# Altium PCB Toothbrush.PcbDoc (continued)
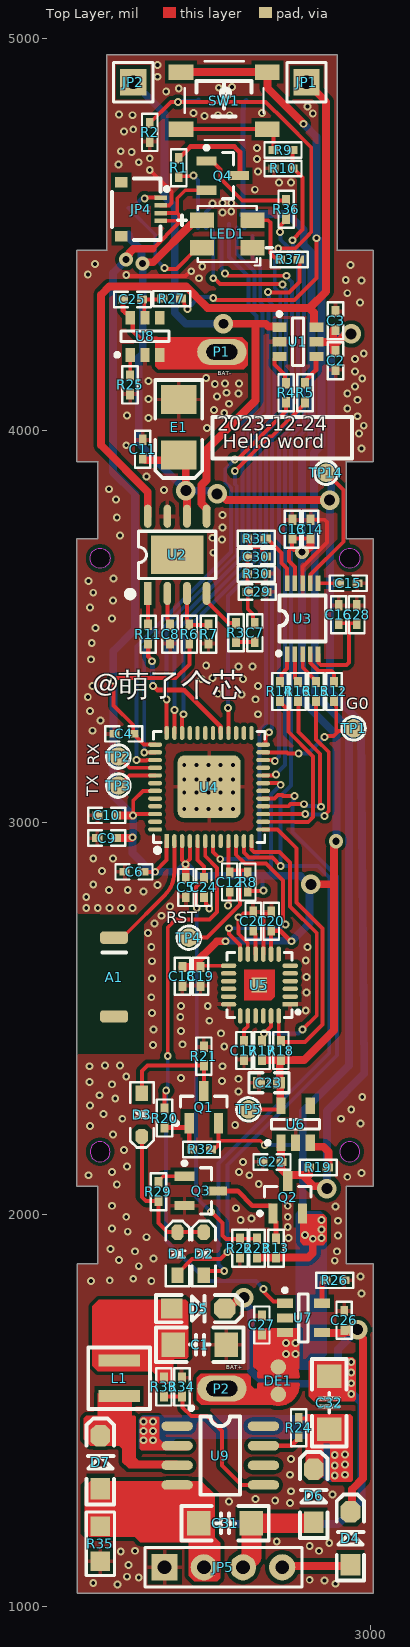
[diagram p0: Top Layer view]
## Nets (pads, with @x,y where several pads share a name; then routed paths per layer and width w, separated by ;. In a path a pad name is that pad's centre, name@x,y a point inside that pad or via, vN(x,y) a via of type N, cw(c..) or ccw(c..) an arc to the next point about the centre after c; other vN are vias at no path point) (continued)
GPIO0: R12.2 TP1.1 U4.23 | length 343.6
  Top Layer w10: U4.23 2788,3178.79 2790.79,3176 v1(2818,3176) ; v1(2884.14,3218.14) 2885.91,3219.91 2906.62,3219.91 2913.86,3227.15 ; R12.2 2913,3305 2913,3297 2913.86,3296.14 2913.86,3227.15 ; TP1.1 2950.87,3232.87 2919.58,3232.87 2913.86,3227.15
  Bottom Layer w10: v1(2818,3176) 2842,3176 v1(2884.14,3218.14)
I2S-BCLK: R16.2 U3.2 | length 74.6
  Top Layer w10: U3.2 2808.32,3368.68 2816,3361 R16.2
I2S-DIN: R14.2 U3.1 | length 79.2
  Top Layer w10: R14.2 2774.33,3362.33 2774.33,3377.88 2788.64,3392.18 2788.64,3418.64 U3.1
I2S-LRCLK: R15.2 U3.3 | length 85.5
  Top Layer w10: U3.3 2828.24,3429.22 2828.24,3394.76 2862,3361 R15.2
I2S-MCLK: R12.1 U3.4 | length 115.9
  Top Layer w10: U3.4 2848.59,3428.55 2848.59,3406.33 2868.92,3386 2902.14,3386 2908,3380.14 R12.1
KEY: D2.1 R9.2 R10.1 U4.11 | length 3342.5
  Top Layer w10: D2.1 2576,1845.25 2586.75,1856 v1(2628,1856) ; U4.11 2678.11,2923.47 2691.58,2910 2751,2910 v1(2772,2889) ; v1(2802,4485.02) 2802,4486 2828,4512 2828,4645.23 2805,4668.23 R10.1 R9.2
  Bottom Layer w10: v1(2628,1856) 2628,1858.71 2613.91,1872.79 2613.91,2129.91 2896,2412 2896,2860 2867,2889 v1(2772,2889) 2772,3067.67 2798,3093.67 2798,3964 2831,3997 2831,4444.5 2803.91,4471.58 2803.91,4483.1 v1(2802,4485.02)
LCD-BG: R36.2 U4.20 | length 1500.5
  Top Layer w10: U4.20 2727.52,3119.93 2755.24,3119.93 2757.2,3121.88 v1(2759.9,3121.88) ; v1(2770,4506) 2771.91,4507.91 2771.91,4522.91 2786,4537 R36.2
  Bottom Layer w10: v1(2759.9,3121.88) 2759.9,3123.04 2783,3146.14 2783,3970.21 2816,4003.21 2816,4438.28 2788.91,4465.37 2788.91,4469.23 2771.91,4486.23 2771.91,4504.09 v1(2770,4506)
LCD-CS: JP3.8 U4.34 | length 1376.1
  Top Layer w10: U4.34 2520.63,3269.92 2524,3273.29 v1(2524,3276)
  Bottom Layer w10: v1(2524,3276) 2524,3484.36 2705,3665.36 2705,4007.43 2741,4043.43 2741,4306.21 2719.84,4327.37 2719.84,4418.16 2700.43,4437.57 2700.43,4496
LCD-REST: JP3.3 U4.24 | length 1510.4
  Top Layer w10: v1(2600,4388) 2602.71,4388 2617.1,4373.61 2775.05,4373.61 v1(2776.96,4371.7) ; U4.24 2733.22,3198.47 2733.69,3198.94 2733.69,3218.98 2742,3227.29 v1(2742,3230)
  Bottom Layer w10: v1(2600,4388) JP3.3@2600,4509.99 ; v1(2742,3230) 2742,3232.71 2750,3240.71 2750,3979.64 2786,4015.64 2786,4359.95 2776.96,4368.99 v1(2776.96,4371.7)
LCD-RS: JP3.4 U4.22 | length 1566.1
  Top Layer w10: v1(2630,4400) 2632.71,4400 2638.17,4394.54 v1(2787.13,4394.54) ; U4.22 2727.52,3158.91 2752.3,3158.91 2754.29,3156.92 v1(2757,3156.92)
  Bottom Layer w10: JP3.4@2620,4510.35 2620.63,4509.72 2620.63,4412.08 2630,4402.71 v1(2630,4400) ; v1(2757,3156.92) 2768,3167.92 2768,3976.43 2801,4009.43 2801,4377.96 2787.13,4391.83 v1(2787.13,4394.54)
LCD-SCL: JP3.6 U4.35 | length 1410.4
  Top Layer w10: U4.35 2501.1,3228.16 2501.1,3286.49 v1(2501.26,3286.64)
  Bottom Layer w10: v1(2501.26,3286.64) 2501.26,3482.83 2690,3671.57 2690,4013.64 2726,4049.64 2726,4300 2704.84,4321.16 2704.84,4405.16 2660,4450 JP3.6@2660,4517.85
LCD-SDA: JP3.5 U4.36 | length 1422.4
  Top Layer w10: U4.36 v1(2481.26,3313.96)
  Bottom Layer w10: v1(2481.26,3313.96) 2481.26,3484.05 2675,3677.79 2675,4019.85 2710,4054.85 2710,4292 2689.84,4312.16 2689.84,4392.16 2659,4423 2640,4442 JP3.5@2640,4526.68
LED: JP4.1 LED1.2 TP6.1 | length 402.9
  Top Layer w10: v1(2425.18,4591.74) 2427.13,4593.68 JP4.1 JP4.1@2466.16,4593.84 ; v1(2476,4414) 2477.91,4412.09 2495.56,4412.09 2496,4411.65 2506,4411.65 2560.27,4465.92 LED1.2
  Bottom Layer w10: v1(2425.18,4591.74) 2423.27,4589.83 2415.79,4589.83 2392.97,4567 TP6.1 2452,4499 2452,4438 v1(2476,4414)
LN: C31.1 C32.1 D7.1 JP5.2 R35.1 U9.4 | length 897.3
  Top Layer w50: JP5.2 JP5.2@2576,1104.58
  Bottom Layer w20: JP5.2 2576,1188 2598,1210 2918,1210 2978,1270 2978,1520 v1@2952,1546 ; v1(2952,1542) v1@2952,1546 ; v1(2952,1624) v1(2952,1596.67) v1(2952,1569.33) v1@2952,1546
LP: C31.2 D6.1 JP5.3 | length 281.9
  Top Layer w50: JP5.3 2676,1104.58 2697.5,1126.08 C31.2 2856,1212 D6.1
MOTOR1: JP1.1 U1.6 U2.8 | length 1845.4
  Top Layer w20: U2.8 2433,3843 2314,3962 2314,4346.15 2334.85,4367 2531.21,4367 2553.97,4344.24 2553.97,4343.76 2585.73,4312 2845.53,4312 ; JP1.1 2888,4838 2888,4354.47 2845.53,4312 ; U1.6@2857.24,4263.4 2857.24,4300.28 2845.53,4312
MOTOR2: JP2.1 U1.1 U2.5 | length 1447.7
  Top Layer w20: U2.5@2582.84,3800.56 2570,3813.4 2570,3860.7 2582.84,3873.54 2582.84,3950.84 2708,4076 2708,4272 ; v4(2626,4272) 2708,4272 ; U1.1 2766.95,4265.21 2740.79,4265.21 2734,4272 2708,4272
  Bottom Layer w20: JP2.1 2476,4808 2476,4596 2502,4570 2502,4300 2530,4272 v4(2626,4272)
MOTOR-IN1: R5.1 U1.4 | length 84.4
  Top Layer w12: R5.1@2830,4120 2831,4120 2838,4127 2838,4130 2862,4154 2862,4183.84 U1.4@2857.24,4188.6
MOTOR-IN2: R4.1 U1.3 | length 89.6
  Top Layer w10: U1.3 2762.94,4188.6 2756.13,4181.79 2756.13,4167.64 2782.78,4140.99 2782.78,4123.22 R4.1
MPU6050-INT: U4.10 U5.12 | length 522.1
  Top Layer w10: v1(2640,2730) 2640.68,2729.32 2640.68,2715.32 2668.61,2687.39 U5.12 ; U4.10 2658.43,2917.57 2681,2895 2735,2895 2778,2852 2778,2748.71 2784,2742.71 v1(2784,2740)
  Bottom Layer w10: v1(2640,2730) 2771.29,2730 2781.29,2740 v1(2784,2740)
MPU6050-SCL: R17.2 U4.12 U5.23 | length 796.3
  Top Layer w10: U4.12 2697.8,2930.86 2703.65,2925 2769,2925 2796,2898 2796,2786 2864,2718 2864,2508 v1(2828,2472) ; R17.2 R17.2@2727.54,2445.2 ; U5.23 2747.02,2506.17 2747.02,2479.02 v1(2729.45,2461.45) ; R17.2@2727.54,2445.2 2729.45,2447.11 v1(2729.45,2461.45) ; R17.2@2727.54,2445.2 2727.54,2459.54 v1(2729.45,2461.45)
  Bottom Layer w10: v1(2729.45,2461.45) 2817.14,2461.45 2827.69,2472 v1(2828,2472)
MPU6050-SDA: R18.2 U4.13 U5.24 | length 774.7
  Top Layer w10: U4.13 2764.06,2981.94 2812,2934 2812,2796 2879,2729 2879,2484.72 2833.66,2439.38 2775.18,2439.38 2767.45,2447.11 2767.45,2455.57 2767.05,2455.97 U5.24
NetA1_1: A1.1 U4.2 | length 324.3
  Top Layer w10: A1.1@2340,2706 2353.86,2706 ccw(c2353.86,2740.14) 2378,2716 2475.9,2813.9 ccw(c2415.43,2874.37) 2500.94,2874.37 U4.2
NetC1_2: C1.2 D5.1 L1.2 R33.2
NetC7_1: C7.1 R3.1 | length 48
  Top Layer w10: R3.1 C7.1
NetC8_1: C8.1 U2.2 | length 83.1
  Top Layer w10: U2.2 2483,3517.86 2485,3515.86 2485,3509 C8.1
NetC12_2: C12.2 R8.1 TP4.1 U4.9 | length 374.4
  Top Layer w10: TP4.1 2583.72,2706 2668,2790.28 2668,2878 ; U4.9 2638.74,2881.26 2642,2878 2668,2878 ; R8.1@2688,2878 2668,2878
NetC15_1: C15.1 U3.6 | length 52.9
  Top Layer w10: U3.6 2867.93,3610 C15.1
NetC16_1: C16.1 C28.1 U3.5 | length 258.6
  Top Layer w10: U3.5 2868.28,3428.55 2868.28,3407.86 2874.13,3402 2940.14,3402 2946,3407.86 2946,3506.14 2944.14,3508 ; C16.1@2922,3513 2927,3508 2944.14,3508 ; C28.1@2968,3516 2968,3513 2963,3508 2944.14,3508
NetC17_1: C17.1 U5.20 | length 68.5
  Top Layer w10: C17.1 2678.45,2470.11 2687.97,2479.63 2687.97,2506.17 U5.20
NetC21_2: C21.2 U5.10 | length 62.5
  Top Layer w10: C21.2 2702,2721 2708,2715 U5.10
NetC25_1: C25.1 P1.1 U8.3 U8.6 | length 159.6
  Top Layer w12: C25.1@2370,4330 2370,4305.99 2377.03,4298.96 2382.79,4298.96 2388.6,4293.15 U8.6 2394.41,4281.43 2394.41,4253.59 2414,4234 2456,4234
NetC25_2: C25.2 R27.1 U8.5 | length 98.2
  Top Layer w10: U8.5 2424,4289.24 2424,4334 R27.1@2474.62,4334
NetC30_1: C30.1 R31.2 | length 81.1
  Top Layer w10: R31.2 2689,3724 2694,3719 2694,3708 2700.14,3701.86 2720.14,3701.86 2726,3696 2726,3683 2731,3678 C30.1
NetC32_2: C32.2 D6.2 R24.1 U9.2 | length 89.4
  Top Layer w10: R24.1 2867,1480 2894.5,1452.5 C32.2
  other v1: 2910,1334 2936,1336 2910,1360 2936,1362 2910,1386 2936,1388 2422,1424 2446,1424 2422,1448 2446,1448 2422,1472 2446,1472
NetD1_2: D1.2 D2.2 D3.2 R29.2 | length 382.5
  Top Layer w10: D3.2 2418,2044 2428,2034 R29.2 2460,1978 2482.88,1955.12 D1.2 D2.2
NetD4_1: D4.1 JP5.4 | length 176.7
  Top Layer w20: JP5.4 2779.25,1103.25 2946.75,1103.25 D4.1
NetD7_2: D7.2 L1.1 U9.3
NetDE1_2: DE1.2 P2.1
NetJP3_1: JP3.1 R1.1 | length 178.3
  Top Layer w10: R1.1 2514.2,4648.2 2547.5,4648.2 v1(2549.41,4650.11)
  Bottom Layer w10: v1(2549.41,4650.11) 2561.57,4637.95 JP3.1
NetQ1_1: Q1.1 R20.1 R32.1 | length 136.5
  Top Layer w12: R20.1 2532.79,2222 Q1.1@2538.6,2227.81 ; Q1.1 Q1.1@2538.6,2227.81 ; R32.1 2543,2166 2539,2170 2539,2176.63 2538.6,2177.03 Q1.1@2538.6,2227.81
NetQ2_1: Q2.1 Q3.3 R13.1 | length 242.8
  Top Layer w12: Q3.3 2662,2060 2699.75,2022.25 2746.79,2022.25 2752.6,2016.44 Q2.1 2752.6,1988.88 2760,1981.48 R13.1
NetQ3_1: Q3.1 R29.1 | length 74.8
  Top Layer w10: R29.1 2460,2085 2472.4,2097.4 Q3.1
NetQ4_1: Q4.1 R36.1 | length 266.5
  Top Layer w10: Q4.1 2596.44,4687.4 2618,4665.84 2618,4642 2674,4586 2784,4586 R36.1
  Top Layer w12: R36.1@2782,4583.34 2786,4587.34 R36.1
NetQ4_3: Q4.3 R1.2 | length 237.1
  Top Layer w12: R1.2 2512,4697 2516,4701 2519,4701 2542,4724 2654,4724 2668,4710 2668,4652.66 Q4.3
NetR3_2: R3.2 U2.4 | length 118.1
  Top Layer w10: U2.4 2583,3564.5 2638.86,3508.64 2657.36,3508.64 R3.2
NetR4_2: R4.2 U4.39 | length 1135.9
  Top Layer w10: v1(2404,3159.42) 2404.51,3158.91 2412.79,3158.91 2413.78,3157.91 2430.35,3157.91 2431.34,3158.91 2451.54,3158.91 U4.39 ; v1(2655,3926) 2656.91,3927.91 2664.22,3927.91 2786,4049.7 R4.2
  Bottom Layer w10: v1(2404,3159.42) 2404,3449.21 2645,3690.21 2645,3852.5 2630.61,3866.88 2630.61,3901.61 v1(2655,3926)
NetR5_2: R5.2 U4.38 | length 1100.1
  Top Layer w10: v1(2424,3177.91) 2424.68,3178.59 2451.54,3178.59 U4.38 ; v1(2655,3896.72) 2743.39,3985.11 2750.11,3985.11 2834,4069 R5.2
  Bottom Layer w10: v1(2424,3177.91) 2424,3448 2660,3684 2660,3858.71 2655,3863.71 v1(2655,3896.72)
NetR6_1: R6.1 R7.1 U2.3 | length 131.7
  Top Layer w10: U2.3 2533,3517.86 2534,3516.86 2534,3509 R6.1 R7.1
NetR9_1: R9.1 SW1.2 SW1.3 | length 281.1
  Top Layer w10: SW1.2 SW1.3 2739.31,4768.33 2754,4753.65 R9.1
NetR11_1: R11.1 U4.29 | length 344.9
  Top Layer w12: R11.1 2434,3423.23 2444,3413.23 v1(2444,3411.06) ; v1(2446.14,3348) 2447.17,3348 2457.17,3338 2524.93,3338 2618.57,3244.36 2618.57,3228.49 U4.29
  Bottom Layer w12: v1(2444,3411.06) 2445.07,3409.99 2445.07,3349.07 v1(2446.14,3348)
NetR14_1: R14.1 U4.14 | length 464.5
  Top Layer w10: U4.14 2809.63,3001.62 2810.26,3000.99 2842.39,3000.99 2854.73,3013.34 2854.73,3168.48 2792,3231.21 2792,3285 2770,3307 R14.1
NetR15_1: R15.1 U4.15 | length 471.3
  Top Layer w10: U4.15 2727.52,3021.11 2834.22,3021.11 v1(2834.73,3021.62) ; R15.1 2862,3212 2894.73,3179.27 2894.73,3029.44 2884,3018.71 v1(2884,3016)
  Bottom Layer w10: v1(2834.73,3021.62) 2836.36,3020 2877.29,3020 2881.29,3016 v1(2884,3016)
NetR16_1: R16.1 U4.16 | length 446.7
  Top Layer w10: U4.16 2727.52,3041.19 2792,3041.19 2797.25,3046.44 v1(2831.7,3046.44) ; R16.1 2817,3309 2817,3231 2872.82,3175.18 2872.82,3041.91 v1(2874.73,3040)
  Bottom Layer w10: v1(2831.7,3046.44) 2834.41,3046.44 2839.22,3041.62 2873.11,3041.62 v1(2874.73,3040)
NetR19_2: R19.2 U6.3 | length 93.9
  Top Layer w20: U6.3@2847.4,2172.76 2881.24,2172.76 2894,2160 2894,2120 R19.2
NetR24_2: R24.2 U9.7 | length 100.9
  Top Layer w12: U9.7 2799,1410 2818,1429 R24.2
NetR25_2: R25.2 U8.1 | length 53
  Top Layer w10: R25.2 2388.3,4140.3 2388.3,4192.46 U8.1
NetR26_1: R26.1 U7.5 | length 64
  Top Layer w12: U7.5 2877.24,1826.24 2883,1832 R26.1
NetR31_1: R31.1 U3.10 | length 137.8
  Top Layer w10: R31.1 2737,3724 2774,3687 2774,3662 2788.64,3647.36 U3.10
NetR33_1: R33.1 R34.2 U9.5 | length 414.4
  Top Layer w10: R33.1 R34.2 2522,1534 2522,1508 2544,1486 2584,1486 2622,1448 2622,1360 2672,1310 U9.5
NetR37_1: R37.1 U4.28 | length 1331.4
  Top Layer w10: v1(2638,3292) 2638.54,3291.46 2638.54,3228.2 U4.28 ; v1(2739.84,4353.08) 2741.22,4351.7 2793.7,4351.7 2820,4378 2820,4434 R37.1
  Bottom Layer w10: v1(2638,3292) 2638,3577.15 2720,3659.15 2720,4001.21 2756,4037.21 2756,4315.08 2741.76,4329.32 2741.76,4351.16 v1(2739.84,4353.08)
NetTP14_1: TP14.1 U3.7 | length 334.6
  Top Layer w10: U3.7 2848.59,3611.45 2848.59,3632.59 2932,3716 2932,3848 TP14.1
POWER-HOLD: D1.1 U4.17 | length 1566.6
  Top Layer w10: D1.1 2509,1848.82 2546.18,1886 2618,1886 v1(2636,1904) ; U4.17 2756.55,3060.68 2765.28,3069.4 2776.53,3069.4 2778.47,3067.47 v1(2807,3067.47)
  Bottom Layer w10: v1(2636,1904) 2636,2126 2916,2406 2916,2862 2802,2976 2802,3051.42 2805.09,3054.51 2805.09,3065.55 v1(2807,3067.47)
PRESS-ADC: R2.2 TP9.1 U4.7 | length 2588.5
  Top Layer w10: R2.2 2492,4838 v1(2510,4838) 2565.91,4838 2733.66,4838 2784,4787.66 2850,4721.66 2850,4505.51 2843,4498.51 2843,4497.73 2809.88,4464.61 2766.47,4464.61 v1(2765.86,4464) ; U4.7 2599.37,2924.64 v1(2617.81,2906.2)
  Bottom Layer w10: v1(2510,4838) 2511.91,4839.91 2557.91,4839.91 TP9.1@2562,4844 ; v1(2617.81,2906.2) 2700.2,2906.2 2717.86,2923.86 2717.86,3234.14 2735,3251.28 2735,3995 2771,4031 2771,4349.38 2756.96,4363.41 2756.96,4456.26 2764.71,4464 v1(2765.86,4464)
SYS-VCC: C2.1 C3.1 C11.1 C22.2 E1.1 LED1.1 Q2.3 R19.1 TP7.1 U1.5 U2.6 U6.1 | length 4161.9
  Top Layer w20: v3(2420,4426) 2423.06,4429.06 2447.06,4429.06 2544.37,4526.37 2561.43,4526.37 LED1.1 ; C11.1@2426,3924 E1.1@2480.88,3924 ; v2(2530,3846.08) E1.1@2530,3917.12 ; U2.6 v2@2533,3846.08 ; v2(2610,3838) 2618.12,3838 2634.12,3822 v2(2897,3822) ; U6.1@2771.98,2173.38 2772.6,2172.76 2772.6,2116.52 Q2.3@2790,2099.12 ; Q2.3 Q2.3@2790,2099.12 ; R19.1 2844,2100.93 2827.07,2100.93 ; U1.5@2857.7,4225.54 2906,4225.54 ; v2(2890,2066) 2884.26,2071.74 2856.26,2071.74 2827.07,2100.93 ; C2.1@2906,4202 2906,4225.54 ; C3.1@2906,4256 2906,4225.54 ; v2@2946,4246 2937.88,4246 2917.43,4225.54 2906,4225.54 ; Q2.3@2790,2099.12 2791.81,2100.93 2827.07,2100.93
  Bottom Layer w20: TP7.1 2384,4492.63 2416.94,4459.69 2416.94,4429.06 v3(2420,4426) 2420,4195.54 2410,4185.54 2410,3967.08 2530,3847.08 v2(2530,3846.08) ; v2@2536.04,3846.05 2543.75,3846.05 2543.86,3845.94 2593.94,3845.94 2601.88,3838 v2(2610,3838) ; v2(2890,2066) 2890,2264 2985.36,2359.36 2985.36,2367.75 2976.94,3246.97 2976.86,3255.14 2971.08,3260.92 2898,3334 2898,3808.14 v2@2890.57,3815.57 ; v2(2897,3822) 2901,3826 2901,4225 2916.26,4240.26 2940.26,4240.26 v2@2946,4246
  other v2: 2952,4246
UART0_RX: TP2.1 U4.40 | length 105.6
  Top Layer w10: TP2.1 2386.58,3139.42 U4.40
UART0_TX: TP3.1 U4.41 | length 104.4
  Top Layer w10: TP3.1 2361.16,3094 2386.89,3119.73 U4.41
VCC: C4.1 C5.1 C6.1 C9.1 C10.1 C13.2 C14.2 C18.1 C19.1 C20.2 C23.2 JP3.7 JP4.3 JP4.4 Q4.2 R6.2 R8.2 R17.1 R18.1 TP5.1 TP8.1 U3.9 U4.1 U4.3 U4.4 U4.19 U4.37 U4.43 U4.46 U5.8 U5.13 U6.5 | length 7903.3
  Top Layer w10: v1(2395.03,3017.71) 2397.74,3017.71 2401.34,3021.31 U4.46 ; v1@2396,3018.68 2396,3056 2420.36,3080.36 U4.43 ; C6.1 v1(2452,2874) 2452,2874.71 2481.26,2903.97 U4.1 ; 2445.82,4463.18 2514,4531.36 2514,4536 ; U4.37 2423.53,3198.47 2404,3218 2404,3221 2399,3226 C4.1 2396,3248 2346,3298 v1(2346,3362) 2348.71,3362 2354.71,3368 2503.67,3368 2539,3403.33 R6.2 ; JP4.4 2512.63,4534.63 2514,4536 ; JP4.3 2508.14,4554.31 ; U4.3 2520.63,2904.64 v1@2529.38,2895.9 ; v1@2528.57,2894 v1(2529.38,2893.19) v1@2529.38,2895.9 ; U4.4 2540.31,2906.83 v1@2529.38,2895.9 ; C19.1@2567.53,2634.47 U5.13 ; Q4.2 2528.6,4612.6 2508.14,4592.14 2508.14,4554.31 ; R8.2 2689,2825 2727,2825 v1(2728,2826) ; TP5.1 2765.79,2268 2771.09,2273.31 2772.6,2274.81 U6.5 ; U4.19 2765.2,3100.05 2769.29,3095.95 v1(2772,3095.95) ; U5.8 2747.68,2664.32 2747.68,2723.68 C20.2 ; U3.9@2808.32,3612.35 2808.32,3651.46 2793,3666.78 2793,3693 2800.5,3700.5 ; v3(2826,3690) 2821.03,3694.97 2806.03,3694.97 2800.5,3700.5 ; C14.2 2809.22,3724 2800.5,3715.28 2800.5,3700.5 ; 2508.14,4554.31 2514,4548.45 2514,4536
  Top Layer w12: C20.2 2770.32,2724 2797.44,2696.88 v1(2799.61,2696.88)
  Top Layer w20: C9.1 2392,2960 v1(2394,2962) ; C10.1 2394.74,3018 v1(2395.03,3017.71) ; v3(2377,4436) 2377,4440.33 2385,4448.33 2385,4451.46 2396.72,4463.18 2445.82,4463.18 ; C18.1 C19.1 ; v1(2529.38,2893.19) 2530,2892.57 C5.1 ; 2544.53,2631.37 2610.02,2696.86 v1(2630.86,2696.86) ; R17.1 R18.1 ; U6.5@2771.09,2273.31 2771.09,2326.49 2769.59,2328 2769.59,2388.25 2772.45,2391.11 R18.1 ; v3(2826,3690) 2829.06,3693.06 2837.42,3693.06 2848,3703.64 C14.2 ; v2(2849,2842) 2849.28,2842.28 2902.28,2842.28 ; v3(2913,2952) 2909.94,2948.94 2909.94,2937.62 2908,2935.69 2908,2470 2832.11,2394.11 R18.1
  Bottom Layer w10: 2676,4550 2679.68,4546.32 JP3.7 ; 2726,2864 2726,2835.07 2726.09,2834.98 2726.09,2827.91 v1(2728,2826) ; 2747,2870 2747,3070.95 v1(2772,3095.95)
  Bottom Layer w12: 2676,4550 2676,4817.35 2677.26,4818.6 2677.26,4835.26 TP8.1
  Bottom Layer w20: v3(2377,4436) 2377,4434.12 2344,4401.12 2344,3894 2400,3838 2400,3492 2344.99,3436.99 2344.99,3363.01 v1(2346,3362) 2346,3066.74 v1(2395.03,3017.71) ; v1(2394,2962) 2394,2922 2442,2874 2510.19,2874 v1(2529.38,2893.19) 2558.57,2864 2726,2864 2822.28,2864 2844.28,2842 v2(2849,2842) 2845.78,2838.78 2845.78,2743.04 v1(2799.61,2696.88) ; v1@2396,2962 v1@2396,3017.71 ; v1(2630.86,2696.86) 2632,2698 v1@2798.49,2698 ; 2676,4550 2678,4552 2790,4552 2831,4511 2831,4472.78 2851,4452.78 2851,3979 2826,3954 2826,3697.39 v3@2822.3,3693.7 ; v3(2826,3690) 2826,3312 2914,3224 2914,2953 v3(2913,2952)
VIN: C26.1 D4.2 D5.2 U7.4 | length 1207.5
  Top Layer w20: D5.2 2638.64,1760 2660.9,1782.26 2672.26,1782.26 v2(2678,1788) ; U7.4 2877.84,1698 2934,1698 2936.26,1700.26 2962.26,1700.26 v2(2968,1706) 2968,1697.88 2982,1683.88 2982,1326.79 2954.21,1299 2954.21,1245.71 D4.2
  Bottom Layer w20: v2(2678,1788) 2683.74,1782.26 2683.74,1770.26 2696,1758 2696,1602 2730,1568 2886,1568 2918,1600 2918,1656 v2(2968,1706)
WS-LED: LED1.4 R37.2 | length 157.3
  Top Layer w10: LED1.4 2740,4536 2745.86,4530.14 2745.86,4451.86 2756.72,4441 2765,4441 R37.2
pads on no net: A1. JP3.9 JP3.10 JP4.5 JP4.6 U2.9 U2.10 U2.11 U4.8 U4.18 U4.21 U4.25 U4.26 U4.27 U4.30 U4.31 U4.32 U4.33 U4.42 U4.44 U4.45 U4.47 U4.48 U5.2 U5.3 U5.4 U5.5 U5.6 U5.7 U5.14 U5.15 U5.16 U5.17 U5.19 U5.21 U5.22 U5.25 U6.4 U8.4 U9.1 U9.6 U9.8

## Polygon pours and split planes (outlines as drawn)
GND on Top Layer "NONET_L-01_P-001" (solid, remove dead copper, pour order 2): 2252.92,1874.54 2305.12,1874.54 2305.12,2071.39 2252.25,2071.39 2252.25,3723.23 2305.12,3723.23 2305.12,3920.08 2252.25,3920.08 2252.25,4459.03 2328.74,4459.03 2328.74,4957.75 2916.11,4957.75 2916.11,4459.03 3007.54,4459.03 3007.54,3920.08 2939.73,3920.08 2939.73,3723.23 3007.54,3723.23 3007.54,2071.39 2939.73,2071.39 2939.73,1874.54 3007.54,1874.54 3007.54,1034.16 2252.92,1034.16
GND on Bottom Layer "NONET_L-01_P-001" (solid, remove dead copper, pour order 3): 2252.92,1874.54 2305.12,1874.54 2305.12,2071.39 2252.25,2071.39 2252.25,3723.23 2305.12,3723.23 2305.12,3920.08 2252.25,3920.08 2252.25,4459.03 2328.74,4459.03 2328.74,4957.75 2916.11,4957.75 2916.11,4459.03 3007.54,4459.03 3007.54,3920.08 2939.73,3920.08 2939.73,3723.23 3007.54,3723.23 3007.54,2071.39 2939.73,2071.39 2939.73,1874.54 3007.54,1874.54 3007.54,1034.16 2252.92,1034.16

## Other copper
Top Layer:
  region net LN: 2570,1320 2604,1286 2604,1176 2592,1164 2414,1164 2400,1178 2284,1178 2272,1190 2272,1306 2286,1320 2392,1320 2420,1320
  pour cut-out: 2312.4,2765.71 2311.11,2767 2256,2767 2256,2409 2424,2409 2424,2764.96
  region net NetC25_1: 2452,4230 2460,4238 2674,4238 2688,4224 2688,4166 2678,4156 2460,4156 2452,4164
  region net BAT: 2882,2000 2890,1992 2890,1932 2880,1922 2830,1922 2822,1930 2822,1994 2828,2000 2832,2000
  region net BAT: 2712,1710 2702,1700 2702,1612 2712,1602 2814,1602 2820,1608 2820,1704 2814,1710
  region net NetDE1_2: 2570,1514 2558,1526 2558,1584 2568,1594 2688,1594 2696,1586 2696,1564 2704,1556 2774,1556 2782,1548 2782,1516 2780,1514
  region net LN: 2956,1636 2964,1628 2964,1528 2960,1524 2856,1524 2844,1536 2844,1626 2854,1636
  region net NetD7_2: 2306,1544 2306,1458 2388,1458 2392,1454 2392,1540 2394,1542
  region net NetC32_2: 2880,1332 2880,1414 2882,1416 2896,1416 2898,1414 2898,1324 2904,1318 2952,1318 2956,1322 2956,1484 2950,1490 2840,1490 2836,1486 2836,1332 2844,1324 2872,1324
  region net NetC32_2: 2534,1398 2416,1398 2412,1402 2412,1478 2418,1484 2460,1484 2462,1482 2462,1428 2474,1416 2534,1416
  region net NetD7_2: 2536,1352 2384,1352 2368,1368 2368,1402 2360,1410 2286,1410 2270,1426 2270,1480 2276,1486 2400,1486 2402,1484 2402,1380 2410,1372 2508,1372
  region net NetC1_2: 2308,1782 2292,1766 2292,1614 2306,1600 2444,1600 2454,1590 2454,1576 2462,1568 2492,1568 2492,1570 2498,1576 2498,1628 2502,1632 2532,1632 2538,1638 2536,1640 2536,1776 2530,1782
  region net LN: 2538,1180 2538,1078 2552,1064 2610,1064 2618,1072 2618,1162 2604,1176
Bottom Layer:
  pour cut-out: 2255,2764 2421,2764 2425,2760 2425,2404 2253,2404
  region net BAT: 2852,1604 2890,1642 2890,1992 2874,2008 2816,2008 2810,2002 2810,1692 2804,1686 2774,1686 2772,1684 2772,1612 2780,1604
  region net NetC32_2: 2416,1398 2410,1404 2410,1478 2420,1488 2936,1488 2948,1476 2948,1328 2938,1318 2890,1318 2872,1336 2872,1410 2854,1428 2504,1428 2498,1422 2498,1402 2494,1398

## Silkscreen, mask and mechanical layers (free items; w line width, h text height)
Top Overlay:
  circle w15: c2631.49,4860.19 r9.07
  lines w10: 2598,3928 2598,4034 2954,4034 2954,3928 2598,3928
  text "BAT-" at 2611,4141 h10
  text "2023-12-24" at 2610,3988 h60
  text "Hello word" at 2624,3942.61 h60
  text "@萌了个芯" at 2294.09,3303.9 h100
  text "BAT+" at 2633,1605 h10
Bottom Overlay:
  drawing of 90 lines, arcs and shapes, not listed
Mechanical 1:
  circle w15: c2311.3,2160.21 r25.59
  circle w15: c2948.49,2160.21 r25.59
  circle w15: c2948.49,3673.7 r25.59
  circle w15: c2311.31,3673.7 r25.59
  lines w15: 2252.25,2071.39 2305.12,2071.39 2305.12,1874.54 2252.92,1874.54 2252.92,1034.16 3007.54,1034.16 3007.54,1874.54 2939.73,1874.54 2939.73,2071.39 3007.54,2071.39 3007.54,3723.23 2939.73,3723.23 2939.73,3920.08 3007.54,3920.08 3007.54,4459.03 2916.11,4459.03 2916.11,4957.75 2328.74,4957.75 2328.74,4459.03 2252.25,4459.03 2252.25,3920.08 2305.12,3920.08 2305.12,3723.23 2252.25,3723.23 2252.25,2071.39